# Altium PCB Booster_Main_Board.PcbDoc (part 6 of 11) (continued)
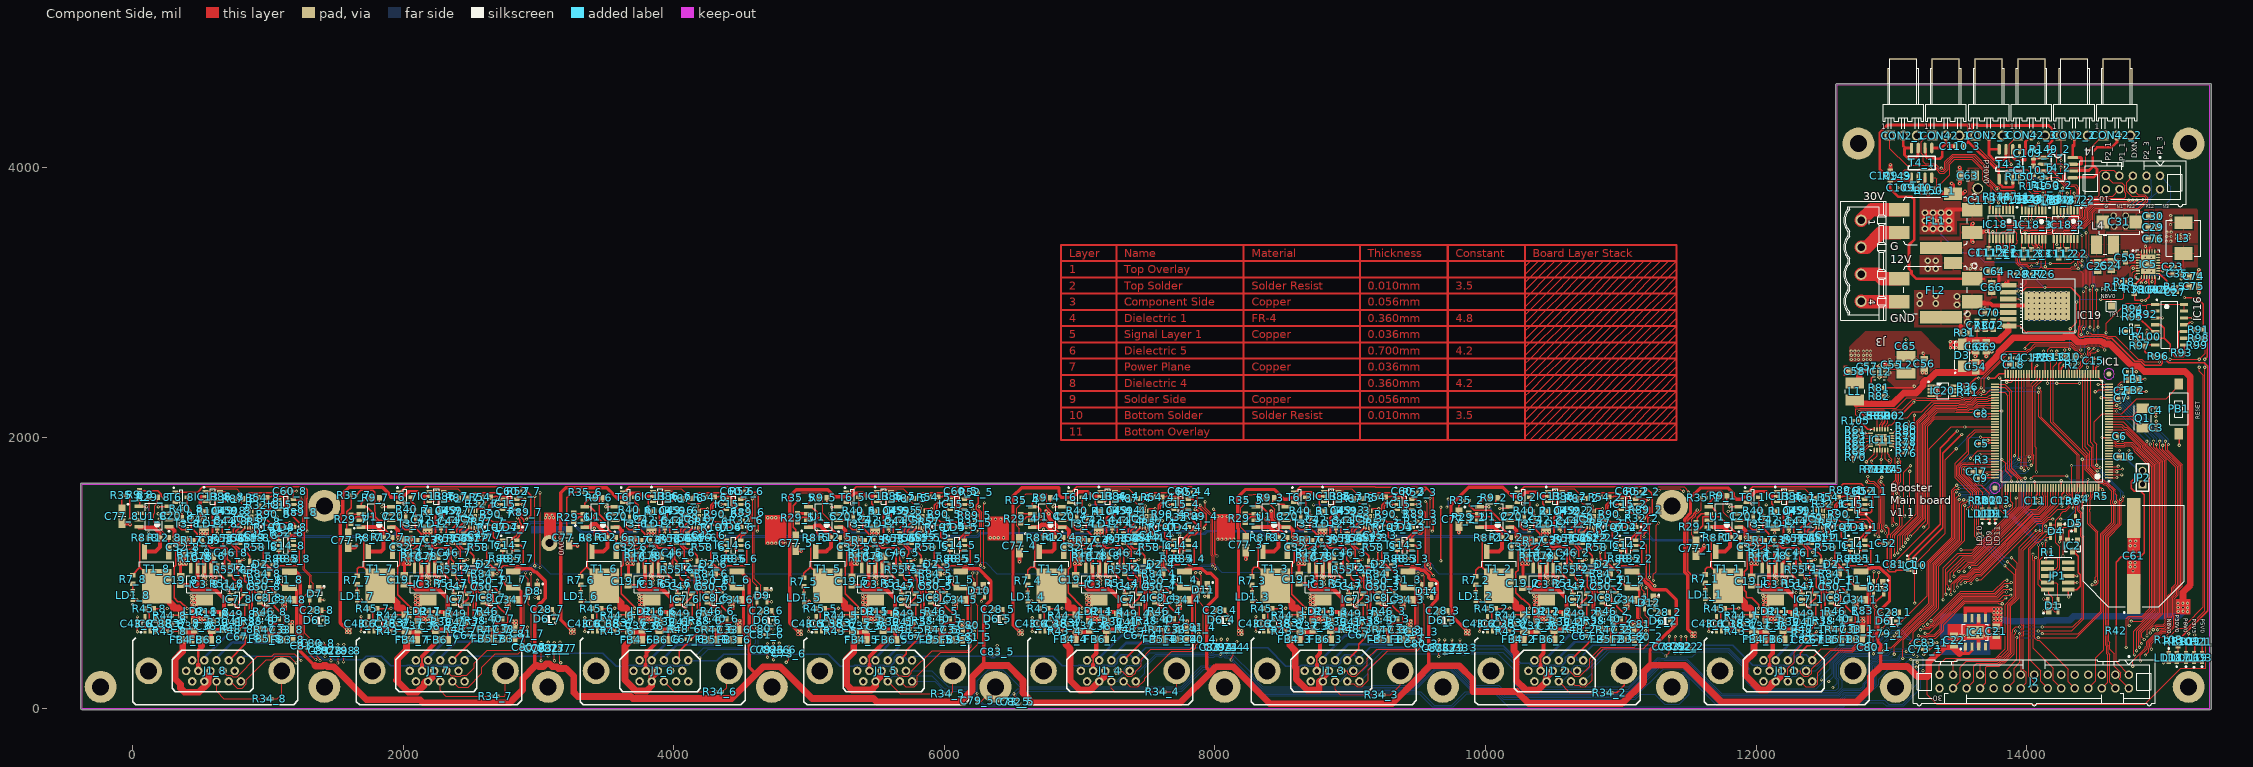
[diagram p0: Component Side view]
## Nets (pads, with @x,y where several pads share a name; then routed paths per layer and width w, separated by ;. In a path a pad name is that pad's centre, name@x,y a point inside that pad or via, vN(x,y) a via of type N, cw(c..) or ccw(c..) an arc to the next point about the centre after c; other vN are vias at no path point) (continued)
  Component Side w10: IC9_1.4@12532.24,1429.53 12544.82,1429.53 12579.98,1464.69 12579.98,1500.84 12603.1,1523.95 v1@12639.24,1523.95 ; v1(12650,1528) 12650,1530 12647.65,1532.35 12658.95,1543.66 IC15_1.4@12694.8,1543.66
  Signal Layer 1 w6: v1(12650,1528) 12659.33,1537.33 12738.7,1537.33 12771.95,1570.57 13034.57,1570.57 13038,1574 v1(13038,1588) ; v1(12906,1004) 12965,1004 v1(12993,1032) ; v1(13039,1996) 13018.69,1975.69 13018.69,1853.88 13048.57,1824 13053.46,1824 13049,1819.54 v1(13049,1818)
I2C_SCL: IC1.136 IC11.19 IC18_1.16 IC18_2.16 IC18_3.16 J2.23 R62.2 | length 6933.9
  Component Side w6: IC11.19@12972.09,2061.13 12972.09,2082.09 12984,2094 13004,2094 13026,2116 R62.2@13026,2143.5 13086.5,2143.5 13089.5,2146.5 13115.5,2146.5 13159,2190 13225,2190 13299.28,2264.28 13499.35,2264.28 13504.44,2259.19 13541.56,2259.19 13552.18,2269.81 13587.22,2269.81 13603.42,2286.01 13607.52,2290.12 13640.58,2323.17 13640.58,2327.51 13652.77,2339.7 13677.7,2339.7 v1@13682,2344 ; J2.23@13655.12,246.85 13655.12,321.54 13791.43,321.54 13816.88,347 13833,347 13894.27,408.27 13894.27,561.02 13896.51,563.27 13896.51,579.49 13917.42,600.39 v1(13946.82,600.39) ; v1(13682,2343) 13687,2348 13687,2439.71 13819.19,2571.9 13819.19,2577.62 13831.38,2589.81 13866.23,2624.66 13999.78,2624.66 14017.04,2641.92 14027,2641.92 14065.53,2680.45 14295.09,2680.45 14296.21,2679.32 14320.8,2679.32 14353.93,2646.2 14370.9,2646.2 14398.98,2618.11 v1(14426.98,2618.11) ; IC18_1.16@13899.51,3470.47 13894.5,3465.46 13894.5,3372.47 13934.71,3332.26 13934.71,3291.43 13945.3,3280.84 13999.91,3280.84 14013.04,3267.71 v1(14035.4,3267.71) ; v1(14088,2335) 14088,2153.03 14373.01,1868.02 IC1.136@14373.01,1627.74 14373.01,1599.26 14361,1587.26 14361,1566.85 14364.2,1563.65 14364.2,1543.61 14376.2,1531.61 14376.2,1483.04 14375.81,1482.65 14375.81,1459.06 14398.19,1436.68 14398.19,1271.54 14408.81,1260.92 14408.81,668.65 14340.55,600.39 v1(14114.15,600.39) ; IC18_3.16@14139.67,3466.54 14139.67,3266.29 v1(14136.11,3262.73) 14147.43,3251.41 14324.61,3251.41 14334.45,3261.25 14356.86,3261.25 14360.24,3264.63 v1(14360.24,3277.56) ; IC18_2.16@14374.9,3468.5 14374.9,3376.08 14393.05,3357.94 14393.05,3320.12 14388.64,3315.71 14388.64,3298.47 14409.45,3277.66 v1(14409.45,3267.72) ; v1(14419.29,2805.12) 14438.98,2824.8 14438.98,3070.99 14440.07,3072.08 14440.07,3109.14 v1(14438.98,3110.24)
  Solder Side w6: v1@13681,2344 14065.57,2344 14074.57,2335 v1(14088,2335) ; v1(13946.82,600.39) v1(14114.15,600.39) ; v1(14035.4,3267.71) 14037.84,3265.28 14133.56,3265.28 v1(14136.11,3262.73) ; v1(14360.24,3277.56) 14399.61,3277.56 v1(14409.45,3267.72) 14438.98,3238.19 v1(14438.98,3110.24) ; v1(14419.29,2805.12) 14419.29,2775.59 14429.1,2765.78 v1@14429.1,2618.14 ; v1(14426.98,2618.11) v1@14429.08,2618.11
I2C_SDA: IC1.137 IC11.20 IC18_1.15 IC18_2.15 IC18_3.15 J2.24 R60.2 | length 7058.8
  Component Side w6: IC11.20@12952.4,2061.13 12952.4,2089.4 12972,2109 12972,2143.5 R60.2@12977,2143.5 13004,2170.5 13004,2194.85 13014.15,2205 13079.57,2205 13157.38,2282.81 13174.62,2282.81 13181.16,2276.28 13504.32,2276.28 13509.41,2271.19 13536.59,2271.19 13547.21,2281.81 13582.25,2281.81 13613.82,2313.38 13613.82,2317.72 13663.1,2367 v1(13664,2367) 13664.81,2367.81 13664.81,2434.5 13807.19,2576.87 13807.19,2582.59 13828.83,2604.23 13828.83,2618.21 13849.44,2638.82 13975.41,2638.82 13977.57,2636.66 13994.81,2636.66 14012.07,2653.92 14022.03,2653.92 14060.56,2692.45 14324.65,2692.45 14358.9,2658.2 14389.04,2658.2 v1(14399.61,2647.64) ; J2.24@13655.12,146.85 13696,187.73 13696,302 13703.54,309.54 13796.4,309.54 13821.85,335 13837.97,335 13906.27,403.3 13906.27,541.34 13917.32,552.39 v1(13917.32,570.87) ; IC18_1.15@13874.51,3470.47 13874.51,3375.49 13921.77,3328.23 13921.77,3287.4 13940.33,3268.84 13994.94,3268.84 14016.88,3246.9 14044.03,3246.9 14045.16,3248.03 14092.62,3248.03 14108.27,3263.68 ; v1(14084.65,570.87) 14104.4,570.87 14105.52,571.99 14331.83,571.99 14420.81,660.97 14420.81,1267.19 14410.19,1277.81 14410.19,1441.65 14387.81,1464.03 14387.81,1477.68 14388.2,1478.07 14388.2,1536.58 14376.2,1548.58 14376.2,1568.62 14373,1571.82 14373,1582.29 14379.93,1589.21 14382.64,1589.21 14392.69,1599.26 IC1.137@14392.69,1627.74 14389.19,1631.24 14389.19,1868.81 14108.81,2149.19 14108.81,2343.62 14092,2360.43 v1(14092,2367) ; IC18_3.15@14114.67,3466.54 14118.14,3463.06 14118.14,3323.85 14108.27,3313.98 14108.27,3263.68 ; IC18_2.15@14349.27,3467.87 IC18_2.15@14349.9,3468.5 14349.9,3377.32 14381.05,3346.17 14381.05,3325.09 14376.64,3320.68 14376.64,3293.5 14381.05,3289.09 v1(14381.05,3249.25) 14339.43,3249.25 14329.58,3239.41 14130,3239.41 14115.3,3254.11 14115.3,3256.65 14108.27,3263.68 ; v1(14402.31,2763.01) 14402.31,2758.67 14405.21,2758.67 14406.89,2760.34 14406.89,2788.09 14398.48,2796.5 14398.48,2813.74 14419.26,2834.52 v1(14419.26,3080.7)
  Solder Side w6: v1(13664,2367) v1(14092,2367) ; v1(13917.32,570.87) 13937.1,570.87 13938.23,571.99 14083.52,571.99 v1(14084.65,570.87) ; v1(14381.05,3249.25) 14418.17,3212.14 14418.17,3081.8 v1(14419.26,3080.7) ; v1(14399.61,2647.64) 14399.61,2760.31 v1(14402.31,2763.01)
I2C_SW_RSTn: IC1.75 IC11.24 R105.1 | length 1396.3
  Component Side w6: R105.1@12754.72,2125.98 12754.72,2150.79 12735.76,2169.75 12735.76,2212.21 12738.55,2215 12768.36,2215 12770.36,2217 13035.9,2217 13113.71,2294.81 13256.08,2294.81 13261.13,2289.76 13507.81,2289.76 13514.38,2283.19 13531.62,2283.19 13542.24,2293.81 13577.28,2293.81 13590.55,2307.09 13590.55,2307.29 13601.82,2318.56 13601.82,2338.04 v3(13625.98,2362.2) ; v3(13661.39,2318.89) 13695.37,2318.89 13730.59,2354.12 IC1.75@13764.74,2354.12
  Component Side w10: R105.1@12754.72,2125.98 12759.84,2125.98 12824.7,2061.13 IC11.24@12873.66,2061.13
  Signal Layer 1 w6: v3(13625.98,2362.2) 13625.98,2350.39 13657.52,2318.86 v3@13663.73,2318.86 ; v3(13661.39,2318.89) v3@13663.73,2318.89
LED1: IC1.98 R101.1 | length 587.8
  Component Side w6: v1(13562,1750) 13562,1720.57 13629.38,1653.19 13659.81,1653.19 13723,1590 R101.1@13723,1555.5 ; v1(13585,1847) 13639.36,1901.36 IC1.98@13764.74,1901.36
  Solder Side w6: v1(13562,1750) 13562,1824 v1(13585,1847)
LED2: IC1.99 R102.1 | length 621.6
  Component Side w6: v1(13539,1769) 13539,1726.6 13674,1591.6 R102.1@13674,1552.5 ; v1(13654,1875) 13660.68,1881.68 IC1.99@13764.74,1881.68
  Solder Side w6: v1(13539,1769) 13530,1769 13523,1762 13513,1772 13513,1804.43 13583.57,1875 v1(13654,1875)
LED3: IC1.111 R103.1 | length 371.2
  Component Side w6: R103.1@13775,1555.5 13805.75,1524.76 13805.75,1464.82 13831.38,1439.19 13848.62,1439.19 13895.81,1486.38 13895.81,1515.19 13880.88,1530.12 IC1.111@13880.88,1627.74
MEAS_I_N8V_1: C46_1.1 IC9_1.10 R55_1.2 | length 495.9
  Component Side w10: v1(12277.36,1286.95) 12277.19,1287.13 12277.19,1375.84 12311.19,1409.84 IC9_1.10@12416.1,1409.84 ; v1(12281.17,1229.14) 12281.17,1214.51 12324,1171.69 12324,1093.42 12334.17,1083.24 R55_1.2@12334.17,1056.5
  Solder Side w10: v1(12277.36,1286.95) 12281.17,1283.14 v1(12281.17,1229.14)
MEAS_I_N8V_2: C46_2.1 IC9_2.10 R55_2.2 | length 496
  Component Side w10: v1(10584.45,1286.95) 10584.19,1287.21 10584.19,1375.75 10618.28,1409.84 IC9_2.10@10723.19,1409.84 ; v1(10588.26,1229.14) 10588.26,1214.51 10622.26,1180.51 10622.26,1102.24 10641.26,1083.24 R55_2.2@10641.26,1056.5
  Solder Side w10: v1(10584.45,1286.95) 10588.26,1283.14 v1(10588.26,1229.14)
MEAS_I_N8V_3: C46_3.1 IC9_3.10 R55_3.2 | length 495.8
  Component Side w10: v1(8930.91,1286.95) 8930.91,1376.01 8964.74,1409.84 IC9_3.10@9069.65,1409.84 ; v1(8934.72,1229.14) 8934.72,1214.51 8973,1176.23 8973,1097.96 8987.72,1083.24 R55_3.2@8987.72,1056.5
  Solder Side w10: v1(8930.91,1286.95) 8934.72,1283.14 v1(8934.72,1229.14)
MEAS_I_N8V_4: C46_4.1 IC9_4.10 R55_4.2 | length 495.8
  Component Side w10: v1(7277.36,1286.95) 7277.36,1376.01 7311.19,1409.84 IC9_4.10@7416.1,1409.84 ; v1(7281.17,1229.14) 7281.17,1214.51 7325,1170.69 7325,1065.67 R55_4.2@7334.17,1056.5
  Solder Side w10: v1(7277.36,1286.95) 7281.17,1283.14 v1(7281.17,1229.14)
MEAS_I_N8V_5: C46_5.1 IC9_5.10 R55_5.2 | length 495.8
  Component Side w10: v1(5623.82,1286.95) 5623.82,1376.01 5657.65,1409.84 IC9_5.10@5762.56,1409.84 ; v1(5627.63,1229.14) 5627.63,1214.51 5670,1172.14 5670,1093.87 5680.63,1083.24 R55_5.2@5680.63,1056.5
  Solder Side w10: v1(5623.82,1286.95) 5627.63,1283.14 v1(5627.63,1229.14)
MEAS_I_N8V_6: C46_6.1 IC9_6.10 R55_6.2 | length 495.8
  Component Side w10: v1(3970.28,1286.95) 3970.28,1376.01 4004.11,1409.84 IC9_6.10@4109.02,1409.84 ; v1(3974.09,1229.14) 3974.09,1214.51 4008.09,1180.51 4008.09,1102.24 4027.09,1083.24 R55_6.2@4027.09,1056.5
  Solder Side w10: v1(3970.28,1286.95) 3974.09,1283.14 v1(3974.09,1229.14)
MEAS_I_N8V_7: C46_7.1 IC9_7.10 R55_7.2 | length 495.8
  Component Side w10: v1(2316.73,1286.95) 2316.73,1376.01 2350.56,1409.84 IC9_7.10@2455.47,1409.84 ; v1(2320.54,1229.14) 2320.54,1214.51 2354.54,1180.51 2354.54,1102.24 2373.54,1083.24 R55_7.2@2373.54,1056.5
  Solder Side w10: v1(2316.73,1286.95) 2320.54,1283.14 v1(2320.54,1229.14)
MEAS_I_N8V_8: C46_8.1 IC9_8.10 R55_8.2 | length 495.8
  Component Side w10: v1(663.19,1285.81) 663.19,1374.87 697.02,1408.7 IC9_8.10@801.93,1408.7 ; v1(667,1228) 667,1213.37 701,1179.37 701,1101.1 720,1082.1 R55_8.2@720,1055.35
  Solder Side w10: v1(663.19,1285.81) 667,1282 v1(667,1228)
MEAS_I_P6V_1: C44_1.1 IC9_1.11 R53_1.2 | length 159.6
  Component Side w10: R53_1.2@12331.17,1287.64 12325.17,1293.64 12325.17,1330.14 12357.89,1362.86 C44_1.1@12357.89,1381.14 ; C44_1.1@12366.89,1388.14 12368.91,1390.16 IC9_1.11@12416.1,1390.16
MEAS_I_P6V_2: C44_2.1 IC9_2.11 R53_2.2 | length 159.6
  Component Side w10: R53_2.2@10638.26,1287.64 10632.26,1293.64 10632.26,1330.14 10664.98,1362.86 C44_2.1@10664.98,1381.14 ; C44_2.1@10673.98,1388.14 10675.99,1390.16 IC9_2.11@10723.19,1390.16
MEAS_I_P6V_3: C44_3.1 IC9_3.11 R53_3.2 | length 159.6
  Component Side w10: R53_3.2@8984.72,1287.64 8978.72,1293.64 8978.72,1330.14 9011.43,1362.86 C44_3.1@9011.43,1381.14 ; C44_3.1@9020.43,1388.14 9022.45,1390.16 IC9_3.11@9069.65,1390.16
MEAS_I_P6V_4: C44_4.1 IC9_4.11 R53_4.2 | length 159.6
  Component Side w10: R53_4.2@7331.17,1287.64 7325.17,1293.64 7325.17,1330.14 7357.89,1362.86 C44_4.1@7357.89,1381.14 ; C44_4.1@7366.89,1388.14 7368.91,1390.16 IC9_4.11@7416.1,1390.16
MEAS_I_P6V_5: C44_5.1 IC9_5.11 R53_5.2 | length 159.6
  Component Side w10: R53_5.2@5677.63,1287.64 5671.63,1293.64 5671.63,1330.14 5704.35,1362.86 C44_5.1@5704.35,1381.14 ; C44_5.1@5713.35,1388.14 5715.36,1390.16 IC9_5.11@5762.56,1390.16
MEAS_I_P6V_6: C44_6.1 IC9_6.11 R53_6.2 | length 159.6
  Component Side w10: R53_6.2@4024.09,1287.64 4018.09,1293.64 4018.09,1330.14 4050.8,1362.86 C44_6.1@4050.8,1381.14 ; C44_6.1@4059.8,1388.14 4061.82,1390.16 IC9_6.11@4109.02,1390.16
MEAS_I_P6V_7: C44_7.1 IC9_7.11 R53_7.2 | length 159.6
  Component Side w10: R53_7.2@2370.54,1287.64 2364.54,1293.64 2364.54,1330.14 2397.26,1362.86 C44_7.1@2397.26,1381.14 ; C44_7.1@2406.26,1388.14 2408.28,1390.16 IC9_7.11@2455.47,1390.16
MEAS_I_P6V_8: C44_8.1 IC9_8.11 R53_8.2 | length 159.6
  Component Side w10: R53_8.2@717,1286.5 711,1292.5 711,1329 743.72,1361.72 C44_8.1@743.72,1380 ; C44_8.1@752.72,1387 754.73,1389.02 IC9_8.11@801.93,1389.02
MEAS_I_P29V_1: C39_1.1 IC9_1.12 R45_1.2 | length 1363.8
  Component Side w10: R45_1.2@11768.11,736.46 11868.46,736.46 v1(11872,740) ; v1(12018.17,738.14) 12018.17,766.09 11968.37,815.9 11932.88,815.9 11926.44,822.34 11926.44,857.82 11911.98,872.28 11911.98,1008.98 11933.23,1030.23 11933.23,1160.98 11949.3,1177.05 12043.08,1177.05 12067.84,1201.81 12128.19,1201.81 v1(12130,1200) ; v1(12198.06,1212.25) 12200.72,1214.91 12232.85,1214.91 12244,1226.06 12244,1236.25 C39_1.1@12250.89,1243.14 12266.7,1258.95 12300.62,1258.95 ; 12300.65,1258.92 12348.41,1258.92 12357.54,1268.05 12357.54,1332.8 12395.21,1370.47 IC9_1.12@12416.1,1370.47
  Solder Side w10: v1(11872,740) 12016.31,740 v1(12018.17,738.14) ; v1(12130,1200) 12185.81,1200 v1(12198.06,1212.25)
MEAS_I_P29V_2: C39_2.1 IC9_2.12 R45_2.2 | length 1349.3
  Component Side w10: R45_2.2@10075.2,736.46 10175.46,736.46 v1(10179,740) ; v1(10325.26,738.14) 10325.26,760.74 10280.01,805.99 10271.01,805.99 10224,853 10224,1003.44 10240.31,1019.76 10240.31,1160.98 10256.39,1177.05 10350.17,1177.05 10375.72,1202.61 10432.39,1202.61 10432,1202.21 v1(10432,1200) ; v1(10499,1217) 10501.09,1214.91 10539.94,1214.91 10550.77,1225.75 10550.77,1235.94 C39_2.1@10557.98,1243.14 10573.79,1258.95 10607.71,1258.95 ; 10607.74,1258.92 10655.5,1258.92 10664.63,1268.05 10664.63,1333.89 10701.21,1370.47 IC9_2.12@10723.19,1370.47
  Solder Side w10: v1(10179,740) 10323.4,740 v1(10325.26,738.14) ; v1(10432,1200) 10482,1200 v1(10499,1217)
MEAS_I_P29V_3: C39_3.1 IC9_3.12 R45_3.2 | length 1341.3
  Component Side w10: R45_3.2@8421.65,736.46 8522.03,736.46 v1(8523.72,738.14) ; v1(8671.72,738.14) 8569,840.86 8569,1065 8586.77,1082.77 8586.77,1160.98 8602.84,1177.05 8696.62,1177.05 8721.39,1201.81 8747.45,1201.81 8759.26,1190 8769.26,1200 v1(8780,1200) ; v1(8851.61,1212.25) 8854.27,1214.91 8886.39,1214.91 8897.23,1225.75 8897.23,1235.94 C39_3.1@8904.43,1243.14 8920.24,1258.95 8954.17,1258.95 ; 8954.2,1258.92 9001.96,1258.92 9011.09,1268.05 9011.09,1323.35 9058.21,1370.47 IC9_3.12@9069.65,1370.47
  Solder Side w10: v1(8523.72,738.14) v1(8671.72,738.14) ; v1(8780,1200) 8839.35,1200 v1(8851.61,1212.25)
MEAS_I_P29V_4: C39_4.1 IC9_4.12 R45_4.2 | length 1335.2
  Component Side w10: R45_4.2@6768.11,736.46 6868.49,736.46 v1(6870.17,738.14) ; v1(7018.17,738.14) 7018.17,747.83 6914,852 6914,1026 6933.23,1045.23 6933.23,1160.98 6949.3,1177.05 7043.08,1177.05 7066.03,1200 v1(7130,1200) ; v1(7201.97,1213.13) 7201.97,1213.67 7200.72,1214.91 7232.85,1214.91 7243.69,1225.75 7243.69,1235.94 C39_4.1@7250.89,1243.14 7266.7,1258.95 7300.62,1258.95 ; 7300.65,1258.92 7348.41,1258.92 7357.54,1268.05 7357.54,1322.77 7405.24,1370.47 IC9_4.12@7416.1,1370.47
  Solder Side w10: v1(6870.17,738.14) v1(7018.17,738.14) ; v1(7130,1200) 7185.81,1200 7198.94,1213.13 v1(7201.97,1213.13)
MEAS_I_P29V_5: C39_5.1 IC9_5.12 R45_5.2 | length 1341.6
  Component Side w10: R45_5.2@5114.57,736.46 5214.94,736.46 v1(5216.63,738.14) ; v1(5364.63,738.14) 5364.63,748.37 5266.93,846.07 5266.93,1046.3 5279.69,1059.06 5279.69,1160.98 5295.76,1177.05 5389.54,1177.05 5415.09,1202.61 5441.73,1202.61 5447.34,1197 v1(5473,1197) ; v1(5544.52,1212.25) 5547.18,1214.91 5579.31,1214.91 5590.14,1225.75 5590.14,1235.94 C39_5.1@5597.35,1243.14 5613.16,1258.95 5647.08,1258.95 5694.87,1258.92 5704,1268.05 5704,1322.77 5751.7,1370.47 IC9_5.12@5762.56,1370.47
  Solder Side w10: v1(5216.63,738.14) v1(5364.63,738.14) ; v1(5473,1197) 5485.85,1209.85 5521.89,1209.85 5531.26,1200.48 5531.26,1199 v1(5544.52,1212.25)
MEAS_I_P29V_6: C39_6.1 IC9_6.12 R45_6.2 | length 1353.1
  Component Side w10: R45_6.2@3461.02,736.46 3561.4,736.46 v1(3563.09,738.14) ; v1(3711.09,738.14) 3711.09,744.91 3611,845 3611,1043.91 3626.14,1059.06 3626.14,1160.98 3642.21,1177.05 3735.99,1177.05 3761.55,1202.61 3788.19,1202.61 3800.79,1190 3810.79,1200 v1(3820,1200) ; v1(3900.46,1213.13) 3895.42,1213.13 3893.64,1214.91 3925.76,1214.91 3936.6,1225.75 3936.6,1235.94 C39_6.1@3943.8,1243.14 3959.61,1258.95 3993.54,1258.95 4041.33,1258.92 4050.46,1268.05 4050.46,1322.77 4098.16,1370.47 IC9_6.12@4109.02,1370.47
  Solder Side w10: v1(3563.09,738.14) v1(3711.09,738.14) ; v1(3820,1200) 3835.63,1200 3845.74,1210.11 3897.44,1210.11 v1(3900.46,1213.13)
MEAS_I_P29V_7: C39_7.1 IC9_7.12 R45_7.2 | length 1330.8
  Component Side w10: R45_7.2@1807.48,736.46 1907.86,736.46 v1(1909.54,738.14) ; v1(2057.54,738.14) 2057.54,747 2051,747 1960,838 1960,1046.46 1972.6,1059.06 1972.6,1160.98 1988.67,1177.05 2082.45,1177.05 2105.4,1200 v1(2165,1200) ; v1(2237.43,1212.25) 2240.09,1214.91 2272.22,1214.91 2283.06,1225.75 2283.06,1235.94 C39_7.1@2290.26,1243.14 2306.07,1258.95 2339.99,1258.95 2387.78,1258.92 2396.91,1268.05 2396.91,1322.77 2444.61,1370.47 IC9_7.12@2455.47,1370.47
  Solder Side w10: v1(1909.54,738.14) v1(2057.54,738.14) ; v1(2165,1200) 2169.81,1204.81 2229.99,1204.81 v1(2237.43,1212.25)
MEAS_I_P29V_8: C39_8.1 IC9_8.12 R45_8.2 | length 1339.4
  Component Side w10: R45_8.2@153.94,735.31 254.32,735.31 v1(256,737) ; v1(404,737) 353.6,787.4 334.65,787.4 306.3,815.75 306.3,1045.16 319.06,1057.91 319.06,1159.84 335.13,1175.91 428.91,1175.91 454.46,1201.46 513.54,1201.46 v1(515,1200) ; v1(587,1211) 589.77,1213.77 618.68,1213.77 629.51,1224.61 629.51,1234.8 C39_8.1@636.72,1242 652.53,1257.81 686.45,1257.81 ; 686.48,1257.78 734.24,1257.78 743.37,1266.91 743.37,1321.63 791.07,1369.33 IC9_8.12@801.93,1369.33
  Solder Side w10: v1(256,737) v1(404,737) ; v1(515,1200) 530.64,1200 539.13,1208.49 584.49,1208.49 v1(587,1211)
MEAS_P3V3MP_1: C49_1.1 IC9_1.9 R58_1.2 R59_1.1 | length 505.1
  Component Side w10: C49_1.1@12331.17,1442.43 12333.96,1439.64 12370.17,1439.64 12380.28,1429.53 12392.17,1429.53 12392.17,1434.14 v1(12395.17,1437.14) ; v1(12399,1342) 12399,1333.42 12400,1332.42 12377.49,1309.91 12377.49,1202.37 12400.53,1179.33 12469.62,1179.33 12486.22,1195.93 12535.88,1195.93 R58_1.2@12541.67,1190.14
  Solder Side w10: v1(12395.17,1437.14) 12400,1432.31 12399,1431.31 v1(12399,1342)
MEAS_P3V3MP_2: C49_2.1 IC9_2.9 R58_2.2 R59_2.1 | length 505.2
  Component Side w10: C49_2.1@10638.26,1442.43 10641.05,1439.64 10677.26,1439.64 10687.37,1429.53 10699.26,1429.53 10699.26,1434.14 v1(10702.26,1437.14) ; v1(10707,1344) 10707,1332.34 10684.57,1309.91 10684.57,1202.37 10708.76,1178.19 10776.45,1178.19 10794.19,1195.93 10842.97,1195.93 R58_2.2@10848.76,1190.14
  Solder Side w10: v1(10702.26,1437.14) 10707,1432.4 v1(10707,1344)
MEAS_P3V3MP_3: C49_3.1 IC9_3.9 R58_3.2 R59_3.1 | length 509.6
  Component Side w10: C49_3.1@8984.72,1442.43 8987.5,1439.64 9023.72,1439.64 9033.83,1429.53 9045.72,1429.53 9045.72,1434.14 v1(9048.72,1437.14) ; v1(9060,1340) 9031.03,1311.03 9031.03,1202.37 9054.07,1179.33 9123.17,1179.33 9139.76,1195.93 9189.43,1195.93 R58_3.2@9195.21,1190.14
  Solder Side w10: v1(9048.72,1437.14) 9060,1425.86 v1(9060,1340)
MEAS_P3V3MP_4: C49_4.1 IC9_4.9 R58_4.2 R59_4.1 | length 518
  Component Side w10: C49_4.1@7331.17,1442.43 7333.96,1439.64 7370.17,1439.64 7380.28,1429.53 7392.17,1429.53 7392.17,1434.14 v1(7395.17,1437.14) ; v1(7412,1338) 7405.58,1338 7377.49,1309.91 7377.49,1202.37 7400.53,1179.33 7469.62,1179.33 7486.22,1195.93 7535.88,1195.93 R58_4.2@7541.67,1190.14
  Solder Side w10: v1(7395.17,1437.14) 7412,1420.31 v1(7412,1338)
MEAS_P3V3MP_5: C49_5.1 IC9_5.9 R58_5.2 R59_5.1 | length 517
  Component Side w10: C49_5.1@5677.63,1442.43 5680.42,1439.64 5716.63,1439.64 5726.74,1429.53 5738.63,1429.53 5738.63,1434.14 v1(5741.63,1437.14) ; v1(5759,1341) 5755.03,1341 5723.94,1309.91 5723.94,1202.37 5746.99,1179.33 5816.08,1179.33 5832.68,1195.93 5882.34,1195.93 R58_5.2@5888.13,1190.14
  Solder Side w10: v1(5741.63,1437.14) 5759,1419.77 v1(5759,1341)
MEAS_P3V3MP_6: C49_6.1 IC9_6.9 R58_6.2 R59_6.1 | length 512.7
  Component Side w10: C49_6.1@4024.09,1442.43 4026.87,1439.64 4063.09,1439.64 4073.2,1429.53 4085.09,1429.53 4085.09,1434.14 v1(4088.09,1437.14) ; v1(4102,1340) 4100.49,1340 4070.4,1309.91 4070.4,1202.37 4093.44,1179.33 4162.54,1179.33 4179.13,1195.93 4228.8,1195.93 R58_6.2@4234.58,1190.14
  Solder Side w10: v1(4088.09,1437.14) 4102,1423.23 v1(4102,1340)
MEAS_P3V3MP_7: C49_7.1 IC9_7.9 R58_7.2 R59_7.1 | length 515.6
  Component Side w10: C49_7.1@2370.54,1442.43 2373.33,1439.64 2409.54,1439.64 2419.65,1429.53 2431.54,1429.53 2431.54,1434.14 v1(2434.54,1437.14) ; v1(2453,1346) v1(2453,1346) 2416.86,1309.91 2416.86,1202.37 2439.9,1179.33 2508.99,1179.33 2525.59,1195.93 2575.25,1195.93 R58_7.2@2581.04,1190.14
  Solder Side w10: v1(2434.54,1437.14) 2453,1418.69 v1(2453,1346)
MEAS_P3V3MP_8: C49_8.1 IC9_8.9 R58_8.2 R59_8.1 | length 514.4
  Component Side w10: C49_8.1@717,1441.28 719.79,1438.5 756,1438.5 766.11,1428.39 778,1428.39 778,1433 v1(781,1436) ; v1(797,1341) 795.55,1341 763.31,1308.77 763.31,1201.23 786.36,1178.19 855.45,1178.19 872.05,1194.79 921.71,1194.79 R58_8.2@927.5,1189
  Solder Side w10: v1(781,1436) 797,1420 v1(797,1341)
N8V0: C31.2 C42_1.2 C42_2.2 C42_3.2 C42_4.2 C42_5.2 C42_6.2 C42_7.2 C42_8.2 IC13_1.2 IC13_2.2 IC13_3.2 IC13_4.2 IC13_5.2 IC13_6.2 IC13_7.2 IC13_8.2 L4.2 R91.2 R108.1 | length 20002.5
  Component Side w6: R108.1@15054.28,519.8 R108.1@15050.4,523.69 15117.27,590.55 15167.42,590.55 15168.55,589.43 15185.79,589.43 15317.12,720.76 15317.12,2517.53 v1(15314.96,2519.69)
  Component Side w10: 2156.18,1565.31 2156.18,1510.87 2161.72,1505.34 2161.72,1471.79 C42_7.2@2181.5,1452.01 ; 3809.72,1565.31 3809.72,1510.87 3815.26,1505.34 3815.26,1471.79 C42_6.2@3835.04,1452.01 ; 5463.27,1565.31 5463.27,1510.87 5468.8,1505.34 5468.8,1471.79 C42_5.2@5488.58,1452.01 ; 7116.81,1565.31 7116.81,1510.87 7122.35,1505.34 7122.35,1471.79 C42_4.2@7142.13,1452.01 ; 8770.35,1565.31 8770.35,1510.87 8775.89,1505.34 8775.89,1471.79 C42_3.2@8795.67,1452.01 ; 10423.9,1565.31 10423.9,1510.87 10429.43,1505.34 10429.43,1471.79 C42_2.2@10449.21,1452.01 ; 12116.81,1565.31 12116.81,1510.87 12122.35,1505.34 12122.35,1471.79 C42_1.2@12142.13,1452.01 ; v3(15165.35,3035.43) 15251.97,3035.43 15302.91,2984.49 R91.2@15302.91,2798.8 15334.65,2767.07 15334.65,2598.43 v1(15314.96,2578.74)
  Component Side w25: v1(504,1406) 508.17,1410.17 508.17,1490.21 499.14,1499.25 499.14,1545.26 508.17,1554.3 508.17,1564.17 IC13_8.2@539.29,1564.17 ; v1(1582,583) 1535.43,629.57 1535.43,1420.98 1553.93,1439.48 1553.93,1586.93 1600.07,1633.07 1846.93,1633.07 1906,1574 1906,1559 1996,1559 2036,1599 2105,1599 2138.69,1565.31 2156.18,1565.31 IC13_7.2@2192.83,1565.31 ; v1(3238,580) 3163.39,654.61 3163.39,1287.81 3161.62,1289.58 3161.62,1344.28 3163.39,1346.04 3163.39,1592.98 3200.98,1630.57 3504.43,1630.57 3586,1549 3595,1558 3651.09,1558 3683.68,1590.59 3740.34,1590.59 3765.61,1565.31 3809.72,1565.31 IC13_6.2@3846.38,1565.31 ; v1(4917,569) 4856.5,629.5 4856.5,1468.6 4857,1469.1 4857,1568.11 4904.39,1615.5 5138.5,1615.5 5191.3,1562.7 5191.3,1561.42 5308.05,1561.42 5337.22,1590.59 5393.88,1590.59 5419.15,1565.31 5463.27,1565.31 IC13_5.2@5499.92,1565.31 ; v1(6551,571) 6506.89,615.11 6506.89,1565.94 6571.52,1630.57 6846.81,1630.57 6846.81,1572.81 6850.39,1572.81 6866.2,1557 6948.48,1557 6992.48,1601 7060,1601 7095.69,1565.31 7116.81,1565.31 IC13_4.2@7153.46,1565.31 ; v1(8174,573) 8174,1323.15 8168.11,1329.05 8168.11,1560.63 8223.47,1615.99 8440.33,1615.99 8474.6,1581.72 8474.6,1580.4 8510,1545 8545,1545 8551.58,1551.58 8552.15,1551.58 8556.57,1556 8609,1556 8646,1593 8717,1593 8744.69,1565.31 8770.35,1565.31 IC13_3.2@8807.01,1565.31 ; v1(9854,575) 9854,581.65 9762.48,673.17 9762.48,697.56 9753.7,706.33 9753.7,747.35 9744.09,756.95 9744.09,1472.88 9744.88,1473.67 9744.88,1498.78 9744.09,1499.56 9744.09,1500.07 9877.1,1633.07 10127.93,1633.07 10195.6,1565.4 10211.6,1565.4 10214,1563 10261.56,1563 10274.8,1576.23 10274.8,1577 10294.8,1597 10380,1597 10411.69,1565.31 10423.9,1565.31 IC13_2.2@10460.55,1565.31 ; v1(11525,555) 11495.28,584.72 11495.28,981.49 11472.56,1004.2 11472.56,1397.48 11514.56,1439.48 11514.56,1553.93 11587.94,1627.31 11793.69,1627.31 11832,1589 11832,1566 11854,1544 11891.03,1544 11908.03,1561 11957,1561 11998,1602 12072,1602 12108.68,1565.31 12116.81,1565.31 IC13_1.2@12153.46,1565.31
  Signal Layer 1 w10: v4(14645.67,3562.99) 14732.28,3476.38 14732.28,3023.62 14830.71,2925.2 15153.54,2925.2 15165.35,2937.01 v3(15165.35,3035.43)
  Signal Layer 1 w25: v1(504,1406) v1(504,1384) 504,1377 444.31,1317.31 444.31,1221.44 432,1209.13 432,938 698,672 ; v1(8174,573) 8266.71,573 8290.16,596.45 8315.27,596.45 8325.89,585.83 8453.54,585.83 8461.16,593.45 8486.27,593.45 8527.04,552.69 9106.56,552.69 9128.87,575 v1(9854,575)
  Solder Side w10: v1(15314.96,2519.69) v1(15314.96,2578.74)
  other v1: 11549,530 11525,531 4942,544 4918,545 6575,547 8198,547 6551,548 8174,548 9878,550 9854,551 3262,555 11548,555 3238,556 1606,558 1582,559 4941,569 6574,572 8197,572 9877,575 3261,580 1605,583 528,1383 527,1408
  other v4: 14681.1,3610.24 14641.73,3641.73
N8V0R: C26.1 C27.1 C29.2 C30.2 C35.1 C59.2 C62.1 C74.2 C75.2 C76.2 IC5.1 IC5.2 IC5.10 IC5.26 IC5.27 IC5.28 IC5.29 L4.1 R19.1 R20.1 R33.1 | length 1050
  Component Side w10: v1(14786.86,3343.61) 14799.65,3330.82 IC5.2@14822.06,3330.82 IC5.29@14847.65,3330.82 ; R33.1@14793.86,3068.11 14798.86,3063.11 14798.86,3014.1 v1(14849.41,3014.1) v1(14877.29,3014.1) 14905.86,3042.67 R19.1@14905.86,3075.1 14906.65,3075.89 14951.84,3074.98 14989.86,3074.21 R20.1@14995.04,3074.1 ; IC5.1@14822.06,3350.5 IC5.29@14847.65,3350.5 ; v1(14846.86,3141.61) 14846.86,3153.48 14867.33,3173.95 IC5.10@14867.33,3187.12 14867.33,3252.08 IC5.29@14896.86,3281.61 ; IC5.28@14847.65,3376.09 IC5.29@14847.65,3350.5 ; IC5.29@14852.86,3330.61 14852.65,3330.82 IC5.29@14847.65,3330.82 ; IC5.27@14867.33,3376.09 14867.33,3311.13 IC5.29@14847.65,3330.82 ; v1(14876.86,3414.61) 14887.02,3404.45 IC5.26@14887.02,3376.09 IC5.29@14887.02,3324.91 ; R20.1@14989.86,3074.1 R20.1@14995.04,3074.1 ; C26.1@15034.86,3074.1 R20.1@14995.04,3074.1 ; C26.1@15034.86,3075.89 15036.65,3074.1 15078.04,3074.1 C27.1@15078.74,3074.8 ; C35.1@15143.35,3209.61 15143.35,3174.85 15144.98,3173.23 15185.04,3173.23 C74.2@15208.66,3196.85 ; v3(15145.67,3118.11) C75.2@15208.66,3118.11 ; IC5.29@14847.65,3330.82 IC5.29@14847.65,3350.5
  other v1: 14921.26,3228.35 14875.11,3236.81 14897.86,3263.61 14874.02,3287.4 14920.61,3290.41 14897.86,3311.61 14875.11,3332.81 14920.61,3332.81
  other v3: 15141.73,3173.23
NetC1_1: C1.1 FB1.1 IC1.33 | length 251.2
  Component Side w6: IC1.33@14607.26,2334.43 14651.43,2334.43 14676,2359 14676,2389.43 14699.57,2413 FB1.1@14751,2413 ; C1.1@14749.22,2486 14749.22,2439.35 FB1.1@14756.57,2432
NetC2_1: C2.1 FB2.1 IC1.32 | length 152.2
  Component Side w6: IC1.32@14607.26,2314.75 14658.75,2314.75 14672,2328 FB2.1@14754,2328